# Altium PCB Hrafn.PcbDoc (part 2 of 5)
Units mm, origin at the board's own origin, x right, y up, seen from the top; angles counter-clockwise.
Board outline 85 x 94.73 mm, 8 copper layers (Top Layer, GND Top, Internal Top, PWR Top, PWR Bottom, Internal Bottom, GND Bottom, Bottom Layer), stack 1.525 mm thick; 391 components, 237 nets, 1268 pads, 1166 vias.
Unrouted connection lines stored in the file: 2.
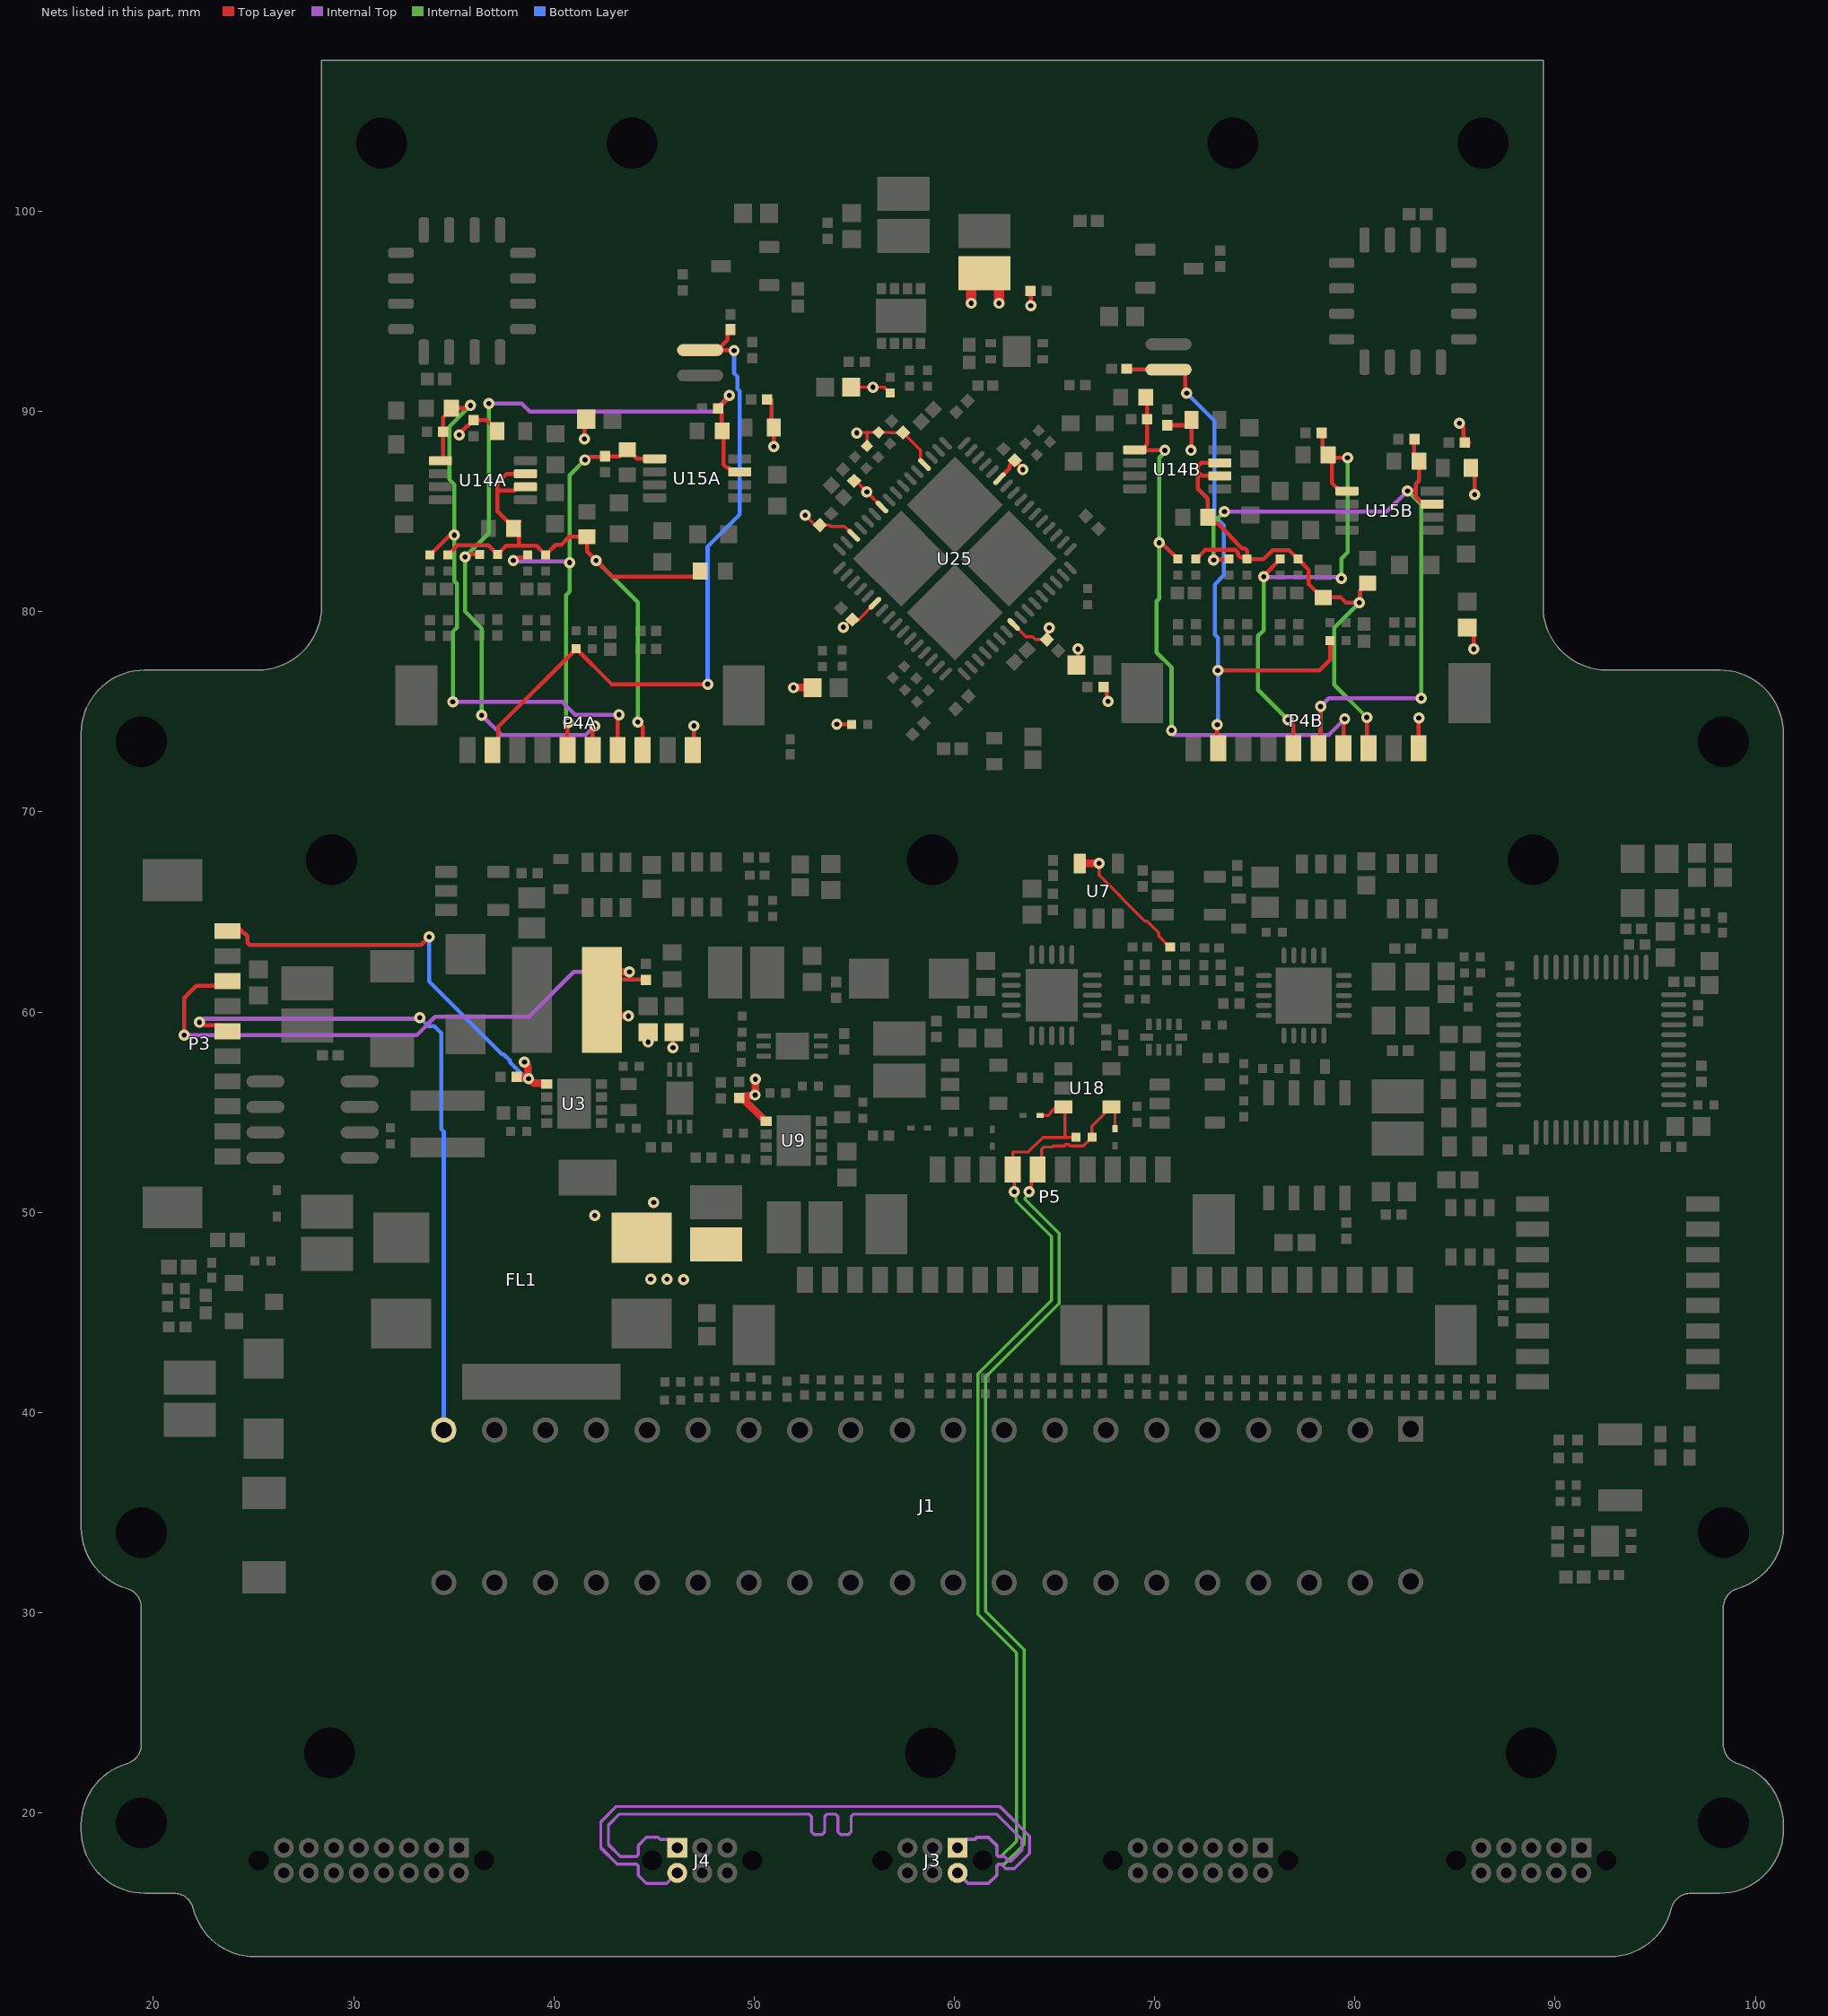
[diagram p8: the nets of this part, all layers, seen from the top]

## Footprints (in the part's own frame and the unit in brackets; to place one, negate y for a bottom-side part, rotate by r counter-clockwise, add the part's x,y. Pads: shape width x height; smd on the part's side, far side on the other; paste and mask are expansions set on the pad) (continued)
DBV0005A_N [mm] "SOT23, 5-Leads, Body 3.05x1.75mm, Pitch 0.95mm, IPC Medium Density"
  rrect17% 1x0.6 smd: 1(-1.375,0.95) 2(-1.375,0) 3(-1.375,-0.95) 4(1.375,-0.95) 5(1.375,0.95)
  silkscreen extent -1.5,-1.55 0.5,1.8, body extent -1.42,-1.46 1.42,1.46, height 1.08
DBZ0003A_N [mm] "SOT23, 3-Leads, Body 3.04x1.4mm, Pitch 0.95mm, IPC Medium Density"
  rrect17% 1x0.6 smd: 1(-1.2,0.95) 2(-1.2,-0.95) 3(1.2,0)
  silkscreen extent -1.33,-1.5 0.7,1.92, body extent -1.26,-1.46 1.26,1.46, height 0.96
DFN260P300X75-4N [mm] "DFN, 4-Leads, Body 2.00x3.00mm, Pitch 2.60mm, IPC Medium Density"
  rect 0.55x0.4 smd: 1(-1.3,0.4) 2(-1.3,-0.4) 3(1.3,-0.4) 4(1.3,0.4)
  rect 1.4x1.55 smd: 5(0,0)
  silkscreen extent -1.6,1.4 -1.5,1.5, body extent -1.55,-1.05 1.55,1.05, height 0.75
DGK0008A_L [mm] "TSOP, 8-Leads, Body 3.1x3.1mm, Pitch 0.65mm, IPC High Density"
  rrect22% 1.15x0.45 smd: 1(-2.125,0.975) 2(-2.125,0.325) 3(-2.125,-0.325) 4(-2.125,-0.975) 5(2.125,-0.975) 6(2.125,-0.325) 7(2.125,0.325) 8(2.125,0.975)
  silkscreen extent -2.25,-1.55 1.15,1.87, body extent -2.45,-1.5 2.45,1.5, height 0.94
DIP40 [mil]
  round 50 hole 32: 1(300,0) 2(0,0) 3(300,-100) 4(0,-100) 5(300,-200) 6(0,-200) 7(300,-300) 8(0,-300) 9(300,-400) 10(0,-400) 11(300,-500) 12(0,-500) 13(300,-600) 14(0,-600) 15(300,-700) 16(0,-700) 17(300,-800) 18(0,-800) 19(299.82,-901.76) 20(-0.18,-901.76) 21(299.82,-1001.76) 22(-0.18,-1001.76) 23(299.82,-1101.76) 24(-0.18,-1101.76) 25(299.82,-1201.76) 26(-0.18,-1201.76) 27(299.82,-1301.76) 28(-0.18,-1301.76) 29(299.82,-1401.76) 30(-0.18,-1401.76) 31(299.82,-1501.76) 32(-0.18,-1501.76) 33(299.82,-1601.76) 34(-0.18,-1601.76) 35(299.82,-1701.76) 36(-0.18,-1701.76) 37(299.82,-1801.76) 38(-0.18,-1801.76) 40(2.18,-1900.88)
  rect 50x50 hole 32: 39(302.18,-1900.88)
  silkscreen extent 67,-1996 323,98, body extent -14,-1949 321,51, height 231
"FIL_BNX028-01L - small" [mm]
  rect 2.8x2.5 smd: 1(-6,2.1)
  rect 3x2.5 smd: 2(6,2.1) 3(-6,-2.2) 5(6,-2.2)
  rect 2.9x1.8 smd: 4(3.3,5.1)
  rect 7.9x1.8 smd: 6(1,-5.1)
  silkscreen extent -7.01,-4.55 6.05,4.55, body extent -6.05,-4.55 6.05,4.55, height 3.7
FP-6_541-5056_01-4-MFG [mm]
  rect 0.6x0.8 smd paste+0 mask+0: 1(-0.725,0) 2(0.725,0)
  silkscreen extent -1.73,-0.45 0.05,0.45, body extent -1.12,-0.55 1.12,0.55, height 0.25
FP-502-01-MFG [mm]
  rect 0.48x0.4 smd paste+0 mask+0: 1(-0.66,0) 2(0.66,0)
  silkscreen extent -1.62,-0.45 0.05,0.45, body extent -1,-0.55 1,0.55, height 0.25
FP-511DD-MFG [mm]
  rect 0.56x0.47 smd paste+0 mask+0: 1(-1.37,0.975) 2(-1.37,0.325) 3(-1.37,-0.325) 4(-1.37,-0.975) 5(1.37,-0.975) 6(1.37,-0.325) 7(1.37,0.325) 8(1.37,0.975)
  rect 1.7x2.52 smd paste+0 mask+0: 9(0,0)
  silkscreen extent -1.97,-1.8 1.57,2.05, body extent -1.75,-1.68 1.75,1.68, height 0.25
FP-BLM18-0_15-t0_8-IPC_C [mm]
  rect 0.906x0.858 smd paste+0 mask+0: 1(-0.576,0) 2(0.576,0)
  body extent -1.13,-0.58 1.13,0.58, height 0.25
FP-C0402-BB-MFG [mm]
  rect 0.52x0.52 smd paste+0 mask+0: 1(-0.4,0) 2(0.4,0)
  body extent -0.8,-0.4 0.8,0.4, height 0.25
FP-CGA6P-MFG [mm]
  rect 1.1x2.2 smd paste+0 mask+0: 1(-1.65,0) 2(1.65,0)
  silkscreen extent -0.73,-1.4 0.73,1.4, body extent -2.3,-1.5 2.3,1.5, height 0.25
FP-CRCW0402-e3-IPC_A [mm]
  rect 0.668x0.672 smd paste+0 mask+0: 1(-0.502,0) 2(0.502,0)
  body extent -1.04,-0.54 1.04,0.54, height 0.25
FP-CRCW0603-e3-MFG [mm]
  rect 0.75x1 smd paste+0 mask+0: 1(-0.75,0) 2(0.75,0)
  body extent -1.22,-0.6 1.22,0.6, height 0.25
FP-DBV0005A-MFG [mm]
  rrect17% 1.1x0.6 smd paste+0 mask+0: 1(-1.3,0.95) 2(-1.3,0) 3(-1.3,-0.95) 4(1.3,-0.95) 5(1.3,0.95)
  silkscreen extent -2.55,-1.53 0.87,1.52, body extent -1.95,-1.78 1.95,1.78, height 0.25
FP-GRM188-0_2-IPC_C [mm]
  rect 0.905x0.906 smd paste+0 mask+0: 1(-0.601,0) 2(0.601,0)
  body extent -1.15,-0.6 1.15,0.6, height 0.25
FP-GRT32E-0_3-IPC_C [mm]
  rect 1.703x2.606 smd paste+0 mask+0: 1(-1.051,0) 2(1.051,0)
  body extent -2,-1.45 2,1.45, height 0.25
FP-RSE0010A-MFG [mm]
  rect 0.575x0.3 smd paste-1000 mask+0: 1(-0.637,0.75) 4(-0.637,-0.75) 6(0.637,-0.75) 9(0.637,0.75)
  rect 0.575x0.25 smd paste-1000 mask+0: 2(-0.637,0.25) 3(-0.637,-0.25) 7(0.637,-0.25) 8(0.637,0.25)
  rect 0.35x0.63 smd paste-1000 mask+0: 5(0,-0.86) 10(0,0.86)
  silkscreen extent -1.32,-1.5 0.78,1.5, body extent -1.02,-1.28 1.02,1.28, height 0.25
FP-RT0603-IPC_B [mm]
  rect 0.859x0.912 smd paste+0 mask+0: 1(-0.777,0) 2(0.777,0)
  body extent -1.46,-0.71 1.46,0.71, height 0.25
FP-RT0603-MFG [mm]
  rect 0.9x0.8 smd paste+0 mask+0: 1(-0.85,0) 2(0.85,0)
  body extent -1.4,-0.55 1.4,0.55, height 0.25
FP-SMB-MFG [mm]
  rect 1.62x2.18 smd paste+0 mask+0: 1(-2.11,0) 2(2.11,0)
  silkscreen extent -2.75,-2.41 2.3,1.98, body extent -3.02,-2.07 3.02,2.07, height 0.25
GECK6_F [mm]
  round 0 hole 1 slot 1.9 at 0 deg unplated: 0(0.625,1.25) 0(0.625,-3.75)
  rect 1x1 hole 0.55: 1(1.25,0)
  round 1 hole 0.55: 2(0,0) 3(1.25,-1.25) 4(0,-1.25) 5(1.25,-2.5) 6(0,-2.5)
  body extent -1.85,-4.4 3.05,1.9, height 4.8
GECK6_M [mm]
  round 0 hole 1 slot 1.9 at 0 deg unplated: 0(0.625,1.25) 0(0.625,-3.75)
  rect 1x1 hole 0.55: 1(0,0)
  round 1 hole 0.55: 2(1.25,0) 3(0,-1.25) 4(1.25,-1.25) 5(0,-2.5) 6(1.25,-2.5)
  body extent -1.84,-5.22 3.06,2.66, height 6.8
GECK10-dup [mm]
  round 0 hole 1 slot 1.9 at 0 deg unplated: 0(0.625,1.25) 0(0.625,-6.25)
  rect 1x1 hole 0.55: 1(0,0)
  round 1 hole 0.55: 2(1.25,0) 3(0,-1.25) 4(1.25,-1.25) 5(0,-2.5) 6(1.25,-2.5) 7(0,-3.75) 8(1.25,-3.75) 9(0,-5) 10(1.25,-5)
  body extent -1.84,-7.67 3.06,2.71, height 6.8
GECK12 [mm]
  round 0 hole 1 slot 1.9 at 0 deg unplated: 0(0.625,1.25) 0(0.625,-7.5)
  rect 1x1 hole 0.55: 1(0,0)
  round 1 hole 0.55: 2(1.25,0) 3(0,-1.25) 4(1.25,-1.25) 5(0,-2.5) 6(1.25,-2.5) 7(0,-3.75) 8(1.25,-3.75) 9(0,-5) 10(1.25,-5) 11(0,-6.25) 12(1.25,-6.25)
  body extent -1.85,-8.94 3.05,2.69, height 6.8
GECK16 [mm]
  round 0 hole 1 slot 1.9 at 0 deg unplated: 0(0.625,1.25) 0(0.625,-10)
  rect 1x1 hole 0.55: 1(0,0)
  round 1 hole 0.55: 2(1.25,0) 3(0,-1.25) 4(1.25,-1.25) 5(0,-2.5) 6(1.25,-2.5) 7(0,-3.75) 8(1.25,-3.75) 9(0,-5) 10(1.25,-5) 11(0,-6.25) 12(1.25,-6.25) 13(0,-7.5) 14(1.25,-7.5) 15(0,-8.75) 16(1.25,-8.75)
  body extent -1.82,-11.42 3.08,2.71, height 6.8
LCC16 [mil]
  rrect50% 50x20 smd: 1(0,0) 2(0,-50) 3(0,-100) 4(0,-150) 9(240,-150) 10(240,-100) 11(240,-50) 12(240,0)
  rrect50% 20x50 smd: 5(45,-195) 6(95,-195) 7(145,-195) 8(195,-195) 13(195,45) 14(145,45) 15(95,45) 16(45,45)
  silkscreen extent -46,-355 260,65, body extent -25,-220 265,70, height 110
LT6105 [mm] "QFN, 6-Leads, Body 3.00x2.00mm, Pitch 0.50mm, Thermal Pad 1.65x1.35mm, IPC Medium Density"
  rect 1.65x1.35 smd: 0(0,0)
  rect 0.7x0.25 smd: 1(-1.43,0.5) 2(-1.43,0) 3(-1.43,-0.5) 4(1.43,-0.5) 5(1.43,0) 6(1.43,0.5)
  silkscreen extent -1.9,-1.2 1.7,1.6, body extent -1.55,-1.05 1.55,1.05, height 0.8
LT-S8-8_L [mm] "SOIC, 8-Leads, Body 5x4mm, Pitch 1.27mm, IPC High Density"
  oval 1.9x0.6 smd: 1(-2.35,1.905) 2(-2.35,0.635) 3(-2.35,-0.635) 4(-2.35,-1.905) 5(2.35,-1.905) 6(2.35,-0.635) 7(2.35,0.635) 8(2.35,1.905)
  silkscreen extent -2.47,-2.5 1,2.88, body extent -2,-2.5 2,2.5, height 1.76
MF05A_L [mm] "SOT23, 5-Leads, Body 2.9x1.6mm, Pitch 0.95mm, Lead Span 2.8mm, IPC High Density"
  rect 0.9x0.65 smd: 1(-1.2,0.95) 2(-1.2,0) 3(-1.2,-0.95) 4(1.2,-0.95) 5(1.2,0.95)
  silkscreen extent -1.7,-1.5 0.35,1.85, body extent -0.83,-1.49 0.83,1.5, height 1.19
MOLX-53398-1071_V [mm] "SMD, 10-Leads, Body 17.65x3.7mm, Pitch 1.25mm"
  rect 0.8x1.3 smd: 1(5.625,-1.75) 2(4.375,-1.75) 3(3.125,-1.75) 4(1.875,-1.75) 5(0.625,-1.75) 6(-0.625,-1.75) 7(-1.875,-1.75) 8(-3.125,-1.75) 9(-4.375,-1.75) 10(-5.625,-1.75)
  rect 2.1x3 smd: MP1(8.175,1) MP2(-8.175,1)
  silkscreen extent -8.82,-2.29 8.82,-0.9, body extent -8.82,-2.1 8.83,2.1, height 4.77
ONSC-SMA-2-403D-02_F_V [mm] "Molded, 2-Leads, Body 4.32x2.6mm"
  rect 2x2 smd: 1(-2,0) 2(2,0)
  silkscreen extent -2.89,-1.57 0.74,1.3, body extent -2.16,-1.3 2.16,1.3, height 2.2
ONSC-SOD-923-2-514AB-01_V [mm] "SOD, 2-Leads, Body 0.8x0.6mm"
  rect 0.36x0.25 smd: 1(-0.42,0) 2(0.42,0)
  silkscreen extent -0.47,0.48 -0.37,0.57, body extent -0.4,-0.3 0.4,0.3, height 0.4
ONSC-SOT23-6-527AJ_V [mm] "SOT23, 6-Leads, Body 3x1.8mm, Pitch 0.95mm"
  rect 0.85x0.56 smd: 1(-1.225,0.95) 2(-1.225,0) 3(-1.225,-0.95) 4(1.225,-0.95) 5(1.225,0) 6(1.225,0.95)
  silkscreen extent -1.44,-1.5 0.4,1.83, body extent -0.9,-1.5 0.9,1.5, height 1.45
ONSC-SOT-23-3-318-08_V [mm] "SOT23, 3-Leads, Body 2.92x1.3mm, Pitch 0.95mm"
  rect 0.9x0.8 smd: 1(-1,0.95) 2(-1,-0.95) 3(1,0)
  silkscreen extent -1.12,-1.46 0.65,2.02, body extent -0.65,-1.46 0.65,1.46, height 1.11
ONSC-TSOP-6-318G-02_V [mm] "SOP, 6-Leads, Body 3x1.5mm, Pitch 0.95mm"
  rect 0.95x0.6 smd: 1(-1.125,0.95) 2(-1.125,0) 3(-1.125,-0.95) 4(1.125,-0.95) 5(1.125,0) 6(1.125,0.95)
  silkscreen extent -1.25,-1.5 0.25,1.92, body extent -0.75,-1.5 0.75,1.5, height 1.1
PULS-HX1188FNL-SMT-16_V [mm] "SMD, 16-Leads, Body 12.7x9.09mm, Pitch 1.27mm"
  rect 0.76x1.65 smd: 1(-4.445,-4.255) 2(-3.175,-4.255) 3(-1.905,-4.255) 4(-0.635,-4.255) 5(0.635,-4.255) 6(1.905,-4.255) 7(3.175,-4.255) 8(4.445,-4.255) 9(4.445,4.255) 10(3.175,4.255) 11(1.905,4.255) 12(0.635,4.255) 13(-0.635,4.255) 14(-1.905,4.255) 15(-3.175,4.255) 16(-4.445,4.255)
  silkscreen extent -6.35,-5.21 6.35,4.54, body extent -6.35,-4.54 6.35,4.54, height 5.99
QFN-ML20_N [mm] "QFN, 20-Leads, Body 4x4mm, Pitch 0.5mm, Thermal Pad 2.8x2.8mm, IPC Medium Density"
  oval 0.8x0.25 smd: 1(-2,1) 2(-2,0.5) 3(-2,0) 4(-2,-0.5) 5(-2,-1) 11(2,-1) 12(2,-0.5) 13(2,0) 14(2,0.5) 15(2,1)
  oval 0.25x0.8 smd: 6(-1,-2) 7(-0.5,-2) 8(0,-2) 9(0.5,-2) 10(1,-2) 16(1,2) 17(0.5,2) 18(0,2) 19(-0.5,2) 20(-1,2)
  rect 2.8x2.8 smd: 21(0,0)
  silkscreen extent -3,-2.23 2.23,2.23, body extent -2.07,-2.07 2.08,2.08, height 1
RESC1005X37X25LL05T10 [mm] "Chip Resistor, 2-Leads, Body 1.00x0.50mm, IPC High Density"
  rect 0.5x0.45 smd: 1(-0.375,0) 2(0.375,0)
  body extent -0.53,-0.27 0.53,0.28, height 0.37
RESC1005X40X25LL05T05 [mm] "Chip Resistor, 2-Leads, Body 1.00x0.50mm, IPC High Density"
  rect 0.45x0.45 smd: 1(-0.4,0) 2(0.4,0)
  body extent -0.53,-0.27 0.53,0.28, height 0.4
RESC1005X40X25LL05T10 [mm] "Chip Resistor, 2-Leads, Body 1.00x0.50mm, IPC High Density"
  rect 0.5x0.45 smd: 1(-0.375,0) 2(0.375,0)
  body extent -0.53,-0.27 0.53,0.28, height 0.4
RESC1005X40X25LL10T10 [mm] "Chip Resistor, 2-Leads, Body 1.00x0.50mm, IPC High Density"
  rect 0.55x0.5 smd: 1(-0.375,0) 2(0.375,0)
  body extent -0.55,-0.3 0.55,0.3, height 0.4
RESC1005X40X25NL05T05 [mm] "Chip Resistor, 2-Leads, Body 1.05x0.55mm, IPC Medium Density"
  rect 0.55x0.55 smd: 1(-0.45,0) 2(0.45,0)
  body extent -0.53,-0.28 0.53,0.28, height 0.4
RESC1005X40X25NL05T10 [mm] "Chip Resistor, 2-Leads, Body 1.00x0.50mm, IPC Medium Density"
  rect 0.6x0.55 smd: 1(-0.425,0) 2(0.425,0)
  body extent -0.53,-0.27 0.53,0.28, height 0.4
RESC1608X08L [mm] "Chip Resistor, 2-Leads, Body 1.60x0.80mm, IPC High Density"
  rect 0.5x0.75 smd: 1(-0.75,0) 2(0.75,0)
  body extent -0.8,-0.4 0.8,0.4, height 0.8
RESC1608X55X25LL10T15 [mm] "Chip Resistor, 2-Leads, Body 1.60x0.80mm, IPC High Density"
  rect 0.6x0.8 smd: 1(-0.65,0) 2(0.65,0)
  body extent -0.85,-0.45 0.85,0.45, height 0.55
RESC1608X55X25NL10T15 [mm] "Chip Resistor, 2-Leads, Body 1.70x0.90mm, IPC Medium Density"
  rect 0.7x0.9 smd: 1(-0.7,0) 2(0.7,0)
  body extent -0.85,-0.45 0.85,0.45, height 0.55
RESC1608X55X30NL15T15 [mm] "Chip Resistor, 2-Leads, Body 1.60x0.80mm, IPC Medium Density"
  rect 0.8x0.95 smd: 1(-0.675,0) 2(0.675,0)
  body extent -0.87,-0.48 0.87,0.48, height 0.55
RESC1609X55X30LL10T20 [mm] "Chip Resistor, 2-Leads, Body 1.60x0.85mm, IPC High Density"
  rect 0.75x0.85 smd: 1(-0.625,0) 2(0.625,0)
  body extent -0.85,-0.48 0.85,0.48, height 0.55
TSQFP50P900X900X160-48L [mm] "TSQFP, 48-Leads, Body 7.00x7.00mm, Pitch 0.50mm, IPC High Density"
  oval 1.25x0.25 smd: 1(-4.125,2.75) 2(-4.125,2.25) 3(-4.125,1.75) 4(-4.125,1.25) 5(-4.125,0.75) 6(-4.125,0.25) 7(-4.125,-0.25) 8(-4.125,-0.75) 9(-4.125,-1.25) 10(-4.125,-1.75) 11(-4.125,-2.25) 12(-4.125,-2.75) 25(4.125,-2.75) 26(4.125,-2.25) 27(4.125,-1.75) 28(4.125,-1.25) 29(4.125,-0.75) 30(4.125,-0.25) 31(4.125,0.25) 32(4.125,0.75) 33(4.125,1.25) 34(4.125,1.75) 35(4.125,2.25) 36(4.125,2.75)
  oval 0.25x1.25 smd: 13(-2.75,-4.125) 14(-2.25,-4.125) 15(-1.75,-4.125) 16(-1.25,-4.125) 17(-0.75,-4.125) 18(-0.25,-4.125) 19(0.25,-4.125) 20(0.75,-4.125) 21(1.25,-4.125) 22(1.75,-4.125) 23(2.25,-4.125) 24(2.75,-4.125) 37(2.75,4.125) 38(2.25,4.125) 39(1.75,4.125) 40(1.25,4.125) 41(0.75,4.125) 42(0.25,4.125) 43(-0.25,4.125) 44(-0.75,4.125) 45(-1.25,4.125) 46(-1.75,4.125) 47(-2.25,4.125) 48(-2.75,4.125)
  silkscreen extent -4.25,3.3 -4,3.55, body extent -3.5,-3.5 3.5,3.5, height 1.6
WE-TPC-4828-MH [mm] "SMD Inductor, 2-Leads, Body 4.8 x 4.8 mm"
  rect 2x5.3 smd: 1(-1.75,0) 2(1.75,0)
  silkscreen extent -0.15,-2.5 0.15,2.5, body extent -2.4,-2.4 2.4,2.4, height 2.79

## Part data
C1 C2 C13 C21 C25 C37 C58 C77 C88 C96: library part CMP-06035-034903-1, "Multi-Layer Ceramic Capacitor 47uF 16V X6S ±20% 1210 Emboss T/R", Capacitance=47uF, Case Code (Imperial)=1210, Case Code (Metric)=3225, Max Operating Temperature=105°C, Min Operating Temperature=-55°C, Ratings=AEC-Q200, Tolerance=20%, Voltage Rating=16V, Case/Package=1210, Length=0.126inch, Mount="Surface Mount", Packaging="Tape and Reel", Thickness=0.106inch, Width=0.098inch
C3 C4 C5 C6 C9 C10 C11 C12 C15 C17 C20 C23 C27 C29 C31 C32 C39 C40A C40B C43A C43B C47A C47B C51A C51B C52A C52B C54 C55 C56 C57 C60 C63 C64 C65 C66 C68 C69 C73 C74 C76 C79 C81 C82 C83 C84 C86 C87 C90 C94 C95 C98 C100A C100B C100C C100D C100E C100F C100G C100H C101A C101B C101C C101D C101E C101F C101G C101H C102 C105: library part CMP-1034-02068-1, "CAP 100nF 16V ±5% 0402 (1005 Metric) Thickness 0.6mm SMD", Case-EIA=0402, Case-Metric=1005, Rated Voltage="16 V", Tolerance=Â±5%, Max Thickness="0.6 mm", Technology=SMT
C7 C14 C16 C22 C26 C28 C38 C42A C42B C53A C53B C59 C67 C71 C72 C78 C85 C89 C97 C103 C104 C107: library part CMP-2000-06226-1, "Chip Capacitor, 10 uF, +/- 20%, 16 V, -55 to 85 degC, 0603 (1608 Metric), RoHS, Tape and Reel", Capacitance=10µF, Manufacturer="Taiyo Yuden", Operating Temperature=-55°C~85°C, Package / Case=0603(1608Metric), Package Description="2-Pin Surface Mount Device, Body 1.70 x 0.90 mm", Package Reference=0603, Ratings=-, Standard Package=1, Temperature Coefficient=X5R, Tolerance=±20%, Voltage - Rated=16V, Applications=GeneralPurpose, Category=Capacitors, Datasheet URL=http://www.yuden.co.jp/ut/product/category/capacitor/EMK107BBJ106MA-T.pdf, Datasheet Version=10/2016, Family=CeramicCapacitors, Features=-, Height - Seated (Max)=-, Lead Spacing=-, Lead Style=-, Manufacturer URL=http://www.t-yuden.com/, Mounting Technology=SurfaceMount, Mounting Type=SurfaceMount,MLCC, Online Catalog=MSeries, Other Names=587-3238-6, Packaging=Digi-Reel®, Series=M, Size / Dimension="0.063\"Lx0.031\"W(1.60mmx0.80mm)", Thickness (Max)="0.031\"(0.80mm)"
C8 C44A C44B C46A C46B C91 C92 C93 C99A C99B C99C C99D C99E C99F C99G C99H: library part CMP-2008-02056-1, Manufacturer=Kemet, Part Number=C0402C105M8PACTU, Capacitance="1 uF"
C18 C19 C30 C33: library part CMP-2008-02912-1, Manufacturer="AVX Interconnect / Elco", Part Number=0402ZC103KAT2A, Capacitance="10 nF"
C24: library part CMP-2008-03996-1, Manufacturer=Murata, Part Number=GRM155R61A274KE15D, Capacitance="0.27 uF"
C34: library part CMP-2008-03915-1, Manufacturer=Murata, Part Number=GRM1555C1H101JA01D, Capacitance=100pF
C35: library part CMP-2008-02911-1, Manufacturer="AVX Interconnect / Elco", Part Number=04025C332JAT2A, Capacitance="3.3 nF"
C36: library part CMP-2008-04644-1, Manufacturer=Murata, Part Number=GRM155R71H153KA12J, Capacitance="15 nF"
C41A C41B: library part CMP-2007-00096-1, Capacitance="22 uF", Manufacturer=Murata, Part Number=GRM219R61A226MEA0D
C45A C45B C108: library part CMP-2006-02545-2, "Chip Multilayer Ceramic Capacitors for General Purpose, 0603, 4.7uF, X5R, 15%, 10%, 35V", Capacitance=4.7uF, Case Code (Imperial)=0603, Case Code (Metric)=1608, Dielectric=X5R, Max Operating Temperature=85°C, Min Operating Temperature=-55°C, Package Quantity=4000, Resistor Type=Ceramic, Tolerance=10%, Voltage=35V, Case/Package=0603, Depth=0.8mm, Height=0.8mm, Lead Free="Lead Free", Length=1.6mm, Material=Ceramic, Mount="Surface Mount", Packaging="Tape and Reel", REACH SVHC="No SVHC", Termination=SMD/SMT, Thickness=0.031inch, Voltage Rating=35V, Voltage Rating (DC)=35V, Weight=0.000222oz, Width=0.8mm
C48A C48B C49A C49B C50A C50B: library part CMP-1034-01497-3, "CAP CER 470PF 50V NP0 0402", Capacitance="470 pF", Manufacturer=Kemet, Package=C0402-BB, Temperature="-55°C to +125°C", Temperature Characteristic=C0G, Temperature Coefficient=15%, Temperature Range High=+125°C, Temperature Range Low=-55°C, Tolerance=0.01, Voltage Rating="50 V", Automotive=No, Category=Cap, ComponentLink2Description=Datasheet, ComponentLink2URL=https://content.kemet.com/datasheets/KEM_C1002_X7R_SMD.pdf, Device Class L1="Passive Components", Device Class L2=Capacitors, Device Class L3="Ceramic Capacitors", Digikey Description="CAP CER 470PF 50V NP0 0402", Height=0.55mm, Ipc Land Pattern Name=CAPC10050X50, Lead Free=Yes, Manufacturer Part Number=C0402C471F5GACTU, Material=Ceramic, Mouser Description="Cap Ceramic 470pF 50V C0G 1% SMD 0402 125C Paper T/R", Octopart=https://octopart.com/c0402c471f5gactu-kemet-13190944, RoHS=TRUE
C61 C62 C75 C80: library part CMP-2008-03918-1, Capacitance="18 pF", Manufacturer=Murata, Part Number=GRM1555C1H180JA01D
C70: library part CMP-08246-001831-1, "Cap Ceramic 2.2nF 2000V X7S 20% Pad SMD 1210 +125°C Automotive T/R", Case Code (Imperial)=1210, Case Code (Metric)=3225, Dielectric=X7S, Max Operating Temperature=125°C, Min Operating Temperature=-55°C, Package Quantity=1000, Ratings=AEC-Q200, Tolerance=20%, Voltage Rating=2kV, Capacitance=2.2nF, Case/Package=1210, Height=2.5mm, Length=0.126inch, Mount="Surface Mount", Packaging="Tape and Reel", Thickness=0.11inch, Voltage Rating (DC)=2kV, Weight=0.000564oz, Width=0.098inch
C109: library part CMP-1034-01880-2, Capacitance="10 nF", Manufacturer=Murata, Part Number=GRM155R71E103KA01D
D1 D3: library part CMP-1060-00073-1, "1.5 W Zener Voltage Regulator, 2-Pin SMA, Pb-Free, Tape and Reel", Manufacturer="On Semiconductor", PartNumber=SZ1SMA5919BT3G, ComponentLink1Description="Manufacturer URL", ComponentLink1URL=http://www.onsemi.com/, ComponentLink2Description=Datasheet, ComponentLink2URL=http://www.onsemi.com/pub_link/Collateral/1SMA5913BT3-D.PDF, ComponentLink3Description="Package Specification", ComponentLink3URL=http://www.onsemi.com/pub_link/Collateral/1SMA5913BT3-D.PDF, DatasheetVersion="Rev. 8", Mounting Technology="Surface Mount", PackageDescription="2-Pin Small Molded Package, J-Bend Lead, Body 2.605 x 4.315 mm", PackageReference=SMA-2-403D-02_F, PackageVersion="Rev. F, 11/2008", Packing="Tape and Reel", RoHS=Pb-Free, VZ Typ (V)=5.6
D2 D5: library part CMP-12187-000023-1, "DIODE SCHOTTKY 60V 3A SMB", Forward Current=3A, Manufacturer=STMicroelectronics, Max Junction Temp=+150°C, Max Repetitive Reverse Voltage=60V, Max Surge Forward Current=100A, Package=SMB, Peak Reverse Current=150uA, Temperature="to +150°C", Automotive=No, Category=Diode, ComponentLink2Description=Datasheet, ComponentLink2URL=https://www.st.com/resource/en/datasheet/stps3l60.pdf, Device Class L1="Discrete Semiconductors", Device Class L2=Diodes, Device Class L3="Schottky Diodes", Digikey Description="DIODE SCHOTTKY 60V 3A SMB", Height=2.65mm, Lead Free=Yes, Manufacturer Part Number=STPS3L60U, Mouser Description="Schottky diode Configuration: Single Housing type: DO-214AA=SMB Peak conducting-state current: 100 A", Octopart=https://octopart.com/stps3l60u-stmicroelectronics-334329, RoHS=TRUE, Standoff Height=0.05mm, Temperature Range High=+150°C
D4: library part CMP-07163-000008-1, "DIODE GEN PURP 75V 200MA SOD523F", Capacitance=4pF, Forward Current=300mA, Manufacturer="ON Semiconductor", Max Junction Temp=+150°C, Max Repetitive Reverse Voltage=75V, Package=502-01, Peak Reverse Current=5uA, Reverse Voltage=100V, Temperature="-55°C to +150°C", Temperature Range Low=-55°C, Automotive=No, Category=Diode, ComponentLink2Description=Datasheet, ComponentLink2URL=https://www.onsemi.com/pub/Collateral/1N914BWT-D.pdf, Device Class L1="Discrete Semiconductors", Device Class L2=Diodes, Device Class L3="Rectifier Diodes", Digikey Description="DIODE GEN PURP 75V 200MA SOD523F", Footprint Url=https://www.onsemi.com/pub/Collateral/502-01.PDF, Height=0.7mm, Ipc Land Pattern Name=SODFL16080X60, Lead Free=Yes, Manufacturer Part Number=1N914BWT, Mouser Description="Diodes - General Purpose, Power, Switching SINGLE JUNC. 100V 4.0NS COMP", Octopart=https://octopart.com/1n914bwt-on+semiconductor-84323166, RoHS=TRUE, Temperature Range High=+150°C
D6: library part CMP-1060-00126-1, "1.5 W Zener Voltage Regulator, 2-Pin SMA, Pb-Free, Tape and Reel", Manufacturer="On Semiconductor", PartNumber=1SMA5915BT3G, ComponentLink1Description="Manufacturer URL", ComponentLink1URL=http://www.onsemi.com/, ComponentLink2Description=Datasheet, ComponentLink2URL=http://www.onsemi.com/pub_link/Collateral/1SMA5913BT3-D.PDF, ComponentLink3Description="Package Specification", ComponentLink3URL=http://www.onsemi.com/pub_link/Collateral/1SMA5913BT3-D.PDF, DatasheetVersion="Rev. 8", Mounting Technology="Surface Mount", PackageDescription="2-Pin Small Molded Package, J-Bend Lead, Body 2.605 x 4.315 mm", PackageReference=SMA-2-403D-02_F, PackageVersion="Rev. F, 11/2008", Packing="Tape and Reel", RoHS=Pb-Free, VZ Typ (V)=3.9
D7 D8 D9 D10: library part CMP-1063-00117-1, "Transient Voltage Suppressor, ESD Protection Diode with Ultra-Low Leakage, 2-Pin SOD-923, Pb-Free, Tape and Reel", Manufacturer="On Semiconductor", C Max (pF)=0.9, ComponentLink1Description="Manufacturer URL", ComponentLink1URL=http://www.onsemi.com/, ComponentLink2Description=Datasheet, ComponentLink2URL=http://www.onsemi.com/pub_link/Collateral/ESD9R3.3S-D.PDF, ComponentLink3Description="Package Specification", ComponentLink3URL=http://www.onsemi.com/pub_link/Collateral/514AB.PDF, DatasheetVersion="Rev. 1", Direction=Unidirectional, IR Max (uA)=0.001, Mounting Technology="Surface Mount", Number of Lines=1, PackageDescription="2-Pin SOD, Body 0.8 x 0.6 mm", PackageReference=SOD-923-2-514AB-01, PackageVersion="Rev. C, 03/2011", Packing="Tape and Reel", PartNumber=ESD9R3.3ST5G, RoHS=Pb-Free, V(BR) Min (V)=4.8, VRWM Max (V)=3.3
D11 D12: library part CMP-02520-000009-1, "LED GREEN 0603 SMD", Ambient Temperature Range High=+100°C, Ambient Temperature Range Low=-40°C, Colour="Pure green", Forward Current=20mA, Forward Voltage=2.1V, Manufacturer=Vishay, Max Junction Temp=+120°C, Package=6.541-5056.01-4, Power Dissipation=90mW, Reverse Voltage=6V, Temperature="to +120°C", Automotive=Yes, Automotive Grade="Grade 3", Category=Diode, ComponentLink2Description=Datasheet, ComponentLink2URL=http://www.vishay.com/docs/83173/tlmb1100.pdf, Device Class L1=Optoelectronics, Device Class L2=LEDs, Device Class L3=unset, Digikey Description="LED GREEN 0603 SMD", Height=0.65mm, Lead Free=Yes, Led Orientation="Top View", Luminous Intensity=15mcd, Manufacturer Part Number=TLMP1100-GS08, Mouser Description="Standard LEDs - SMD Pure Green", Octopart=https://octopart.com/tlmp1100-gs08-vishay-55433993, Peak Emmision Wavelength=562nm, RoHS=TRUE, Temperature Range High=+120°C, Viewing Angle=160°, Wavelength=561nm
FB1 FB2 FB3 FB4 FB5 FB6 FB7: library part CMP-06046-000335-1, "Chip Ferrite Bead, 0603, 120Ω @ 100MHz, 0.05Ω, 25%, 2A", Case Code (Imperial)=0603, Case Code (Metric)=1608, Current Rating=2A, DC Resistance (DCR)=50mR, Max Operating Temperature=125°C, Min Operating Temperature=-55°C, Package Quantity=4000, Ratings=AEC-Q200, Test Frequency=100MHz, Tolerance=25%, Case/Package=0603, Contact Plating=Tin, Depth=0.8mm, Height=0.8mm, Impedance=120R, Lead Free="Lead Free", Length=1.6mm, Material=Ferrite, Max Current Rating=2A, Max DC Current=2A, Mount="Surface Mount", Number of Circuits=1, Number of Lines=1, Packaging="Tape and Reel", Shielding=Unshielded, Termination=SMD/SMT, Weight=7.1E-05oz, Width=0.031inch
FL1: "FILTER LC 47UF SMD", Attenuation Value=35dB, Capacitance=47uF, Case/Package=SMD/SMT, Current=15A, Frequency=1GHz, Manufacturer=Murata, Max Operating Temperature=105°C, Min Operating Temperature=-40°C, Package="SMD-4 Murata", Package Quantity=400, Supplier Part Number 1=490-12524-1-ND, Voltage Rating=16V, Category="EMI / RFI Components", Circuit Type=Filter, ComponentLink1Description=http://www.mouser.com/ds/2/281/ENFH0008-558688.pdf?src-supplier=Mouser, ComponentLink1URL=http://www.mouser.com/ds/2/281/ENFH0008-558688.pdf?src-supplier=Mouser, ComponentLink2Description=http://www.farnell.com/datasheets/1902097.pdf?src-supplier=Farnell, ComponentLink2URL=http://www.farnell.com/datasheets/1902097.pdf?src-supplier=Farnell, ComponentLink3Description=http://www.farnell.com/datasheets/1902097.pdf?src-supplier=Element14, ComponentLink3URL=http://www.farnell.com/datasheets/1902097.pdf?src-supplier=Element14, ComponentLink4Description=http://www.murata.com/en-us/products/productdata/8796777775134/ENFH0008.pdf?src-supplier=Digi-Key, ComponentLink4URL=http://www.murata.com/en-us/products/productdata/8796777775134/ENFH0008.pdf?src-supplier=Digi-Key, ComponentLink5Description=https://www.murata.com/en-us/products/productdata/8796777775134/ENFH0008.pdf?src-supplier=Digi-Key, ComponentLink5URL=https://www.murata.com/en-us/products/productdata/8796777775134/ENFH0008.pdf?src-supplier=Digi-Key, ComponentLink6Description=http://www.farnell.com/datasheets/1902097.pdf?src-supplier=Newark, ComponentLink6URL=http://www.farnell.com/datasheets/1902097.pdf?src-supplier=Newark, Current Rating=15A, Depth=9.1mm, Digi-Key_Part_Number=490-12524-1-ND, DigiKey-Purchase-URL=https://snapeda.com/shop?store=DigiKey&id=4300575, ESD Protection=No, Height=3.5mm, Insertion Loss=35dB, Length=12.1mm, Manufacturer Part Number=BNX028-01L, Max Current Rating=15A, MF=Murata, Mount="Surface Mount", MP=BNX028-01L, Number of Channels=2, Packaging="Tape and Reel", Pricing 1="1=7.19000, 10=6.12300, 25=4.75160, 50=4.52540, 100=4.25920 (USD)", REACH SVHC="No SVHC", RoHS=Yes, SnapEDA_Link=https://www.snapeda.com/parts/BNX028-01L/Murata/view-part/4300575/?ref=snap, Stock 1=641, Supplier 1=Digi-Key, Termination=SMD/SMT, Voltage Rating (DC)=16V, Width=9.1mm
J1: Supplier Part Number 1=S5573-ND, Supplier 1=Digi-Key, Supplier 2=Digi-Key, Supplier Part Number 2=WM23670-ND
J2: "Headers & Wire Housings 1.25MM M VERT 3.0MM 2X8 POS", Color=Green, Current Rating=2A, Insulation Resistance=1GR, Manufacturer 1=Harwin, Manufacturer Part Number 1=G125-MV11605L1P, Max Operating Temperature=150°C, Min Operating Temperature=-65°C, Package Quantity=1, Supplier Part Number 1=952-2453-ND, Voltage Rating=450V, Category="Headers and Wire Housings", ComponentLink1Description=http://www.farnell.com/datasheets/2368209.pdf?src-supplier=Farnell, ComponentLink1URL=http://www.farnell.com/datasheets/2368209.pdf?src-supplier=Farnell, ComponentLink2Description=http://www.mouser.com/ds/2/181/G125-MV-215032.pdf?src-supplier=Mouser, ComponentLink2URL=http://www.mouser.com/ds/2/181/G125-MV-215032.pdf?src-supplier=Mouser, ComponentLink3Description=http://www.farnell.com/datasheets/2047904.pdf?src-supplier=Element14, ComponentLink3URL=http://www.farnell.com/datasheets/2047904.pdf?src-supplier=Element14, ComponentLink4Description=https://cdn.harwin.com/pdfs/Harwin_PC_Gecko.pdf?src-supplier=Digi-Key, ComponentLink4URL=https://cdn.harwin.com/pdfs/Harwin_PC_Gecko.pdf?src-supplier=Digi-Key, Connector Type="Male Pin", Contact Gender=Male, Contact Material=Bronze, Contact Plating=Gold, Fastening Type=Latch, Gender=Male, Housing Material=Thermoplastic, Insulation=Insulated, Length=8.75mm, Mount="Through Hole", Number of Contacts=16, Number of Positions=16, Number of Rows=2, Packaging="Cut Strip", Pitch=0.049inch, Pricing 1="1=5.45000, 10=5.23000, 100=4.35800, 500=3.70430, 1000=3.15955, 5000=2.83270 (USD)", REACH SVHC="No SVHC", RoHS=Yes, Row Spacing=0.049inch, Stock 1=282, Supplier 1=Digi-Key, Termination="Through Hole"
J3: "CONN HEADER VERT 6POS 1.25MM", Color=Green, Current Rating=2A, Flammability Rating="UL94 V-0", Insulation Resistance=10GR, Manufacturer 1=Harwin, Manufacturer Part Number 1=G125-MV10605L1P, Max Operating Temperature=150°C, Min Operating Temperature=-65°C, Package Quantity=1, Supplier Part Number 1=952-2807-ND, Voltage Rating=450V, Category="Headers and Wire Housings", ComponentLink1Description=http://www.mouser.com/ds/2/181/C125XX_G125_Gecko_Connectors-1131202.pdf?src-supplier=Mouser, ComponentLink1URL=http://www.mouser.com/ds/2/181/C125XX_G125_Gecko_Connectors-1131202.pdf?src-supplier=Mouser, ComponentLink2Description=https://cdn.harwin.com/pdfs/G125-MVXXX05LXP.pdf?src-supplier=Digi-Key, ComponentLink2URL=https://cdn.harwin.com/pdfs/G125-MVXXX05LXP.pdf?src-supplier=Digi-Key, Connector Type="Male Pin,Pin", Contact Material=Bronze, Contact Plating=Gold, Fastening Type=Latch, Housing Material=Polyamide, Mount="Through Hole", Number of Positions=6, Number of Rows=2, Packaging="Cut Strip", Pitch=0.049inch, Pricing 1="1=4.22000, 10=4.04600, 100=3.37200, 500=2.86620, 1000=2.44470, 5000=2.19180 (USD)", RoHS=Yes, Row Spacing=0.049inch, Stock 1=132, Supplier 1=Digi-Key, Termination=Solder, Weight=0.008184oz